# Altium PCB PROC099A_ASCII.PcbDoc (part 4 of 6)
Units mil, origin at the board's own origin, x right, y up, seen from the top; angles counter-clockwise.
Board outline 3180 x 2565 mil, 6 copper layers (TOP, L2, L3, L4, L5, BOTTOM), stack 55.54 mil thick; 362 components, 264 nets, 1248 pads, 1144 vias.
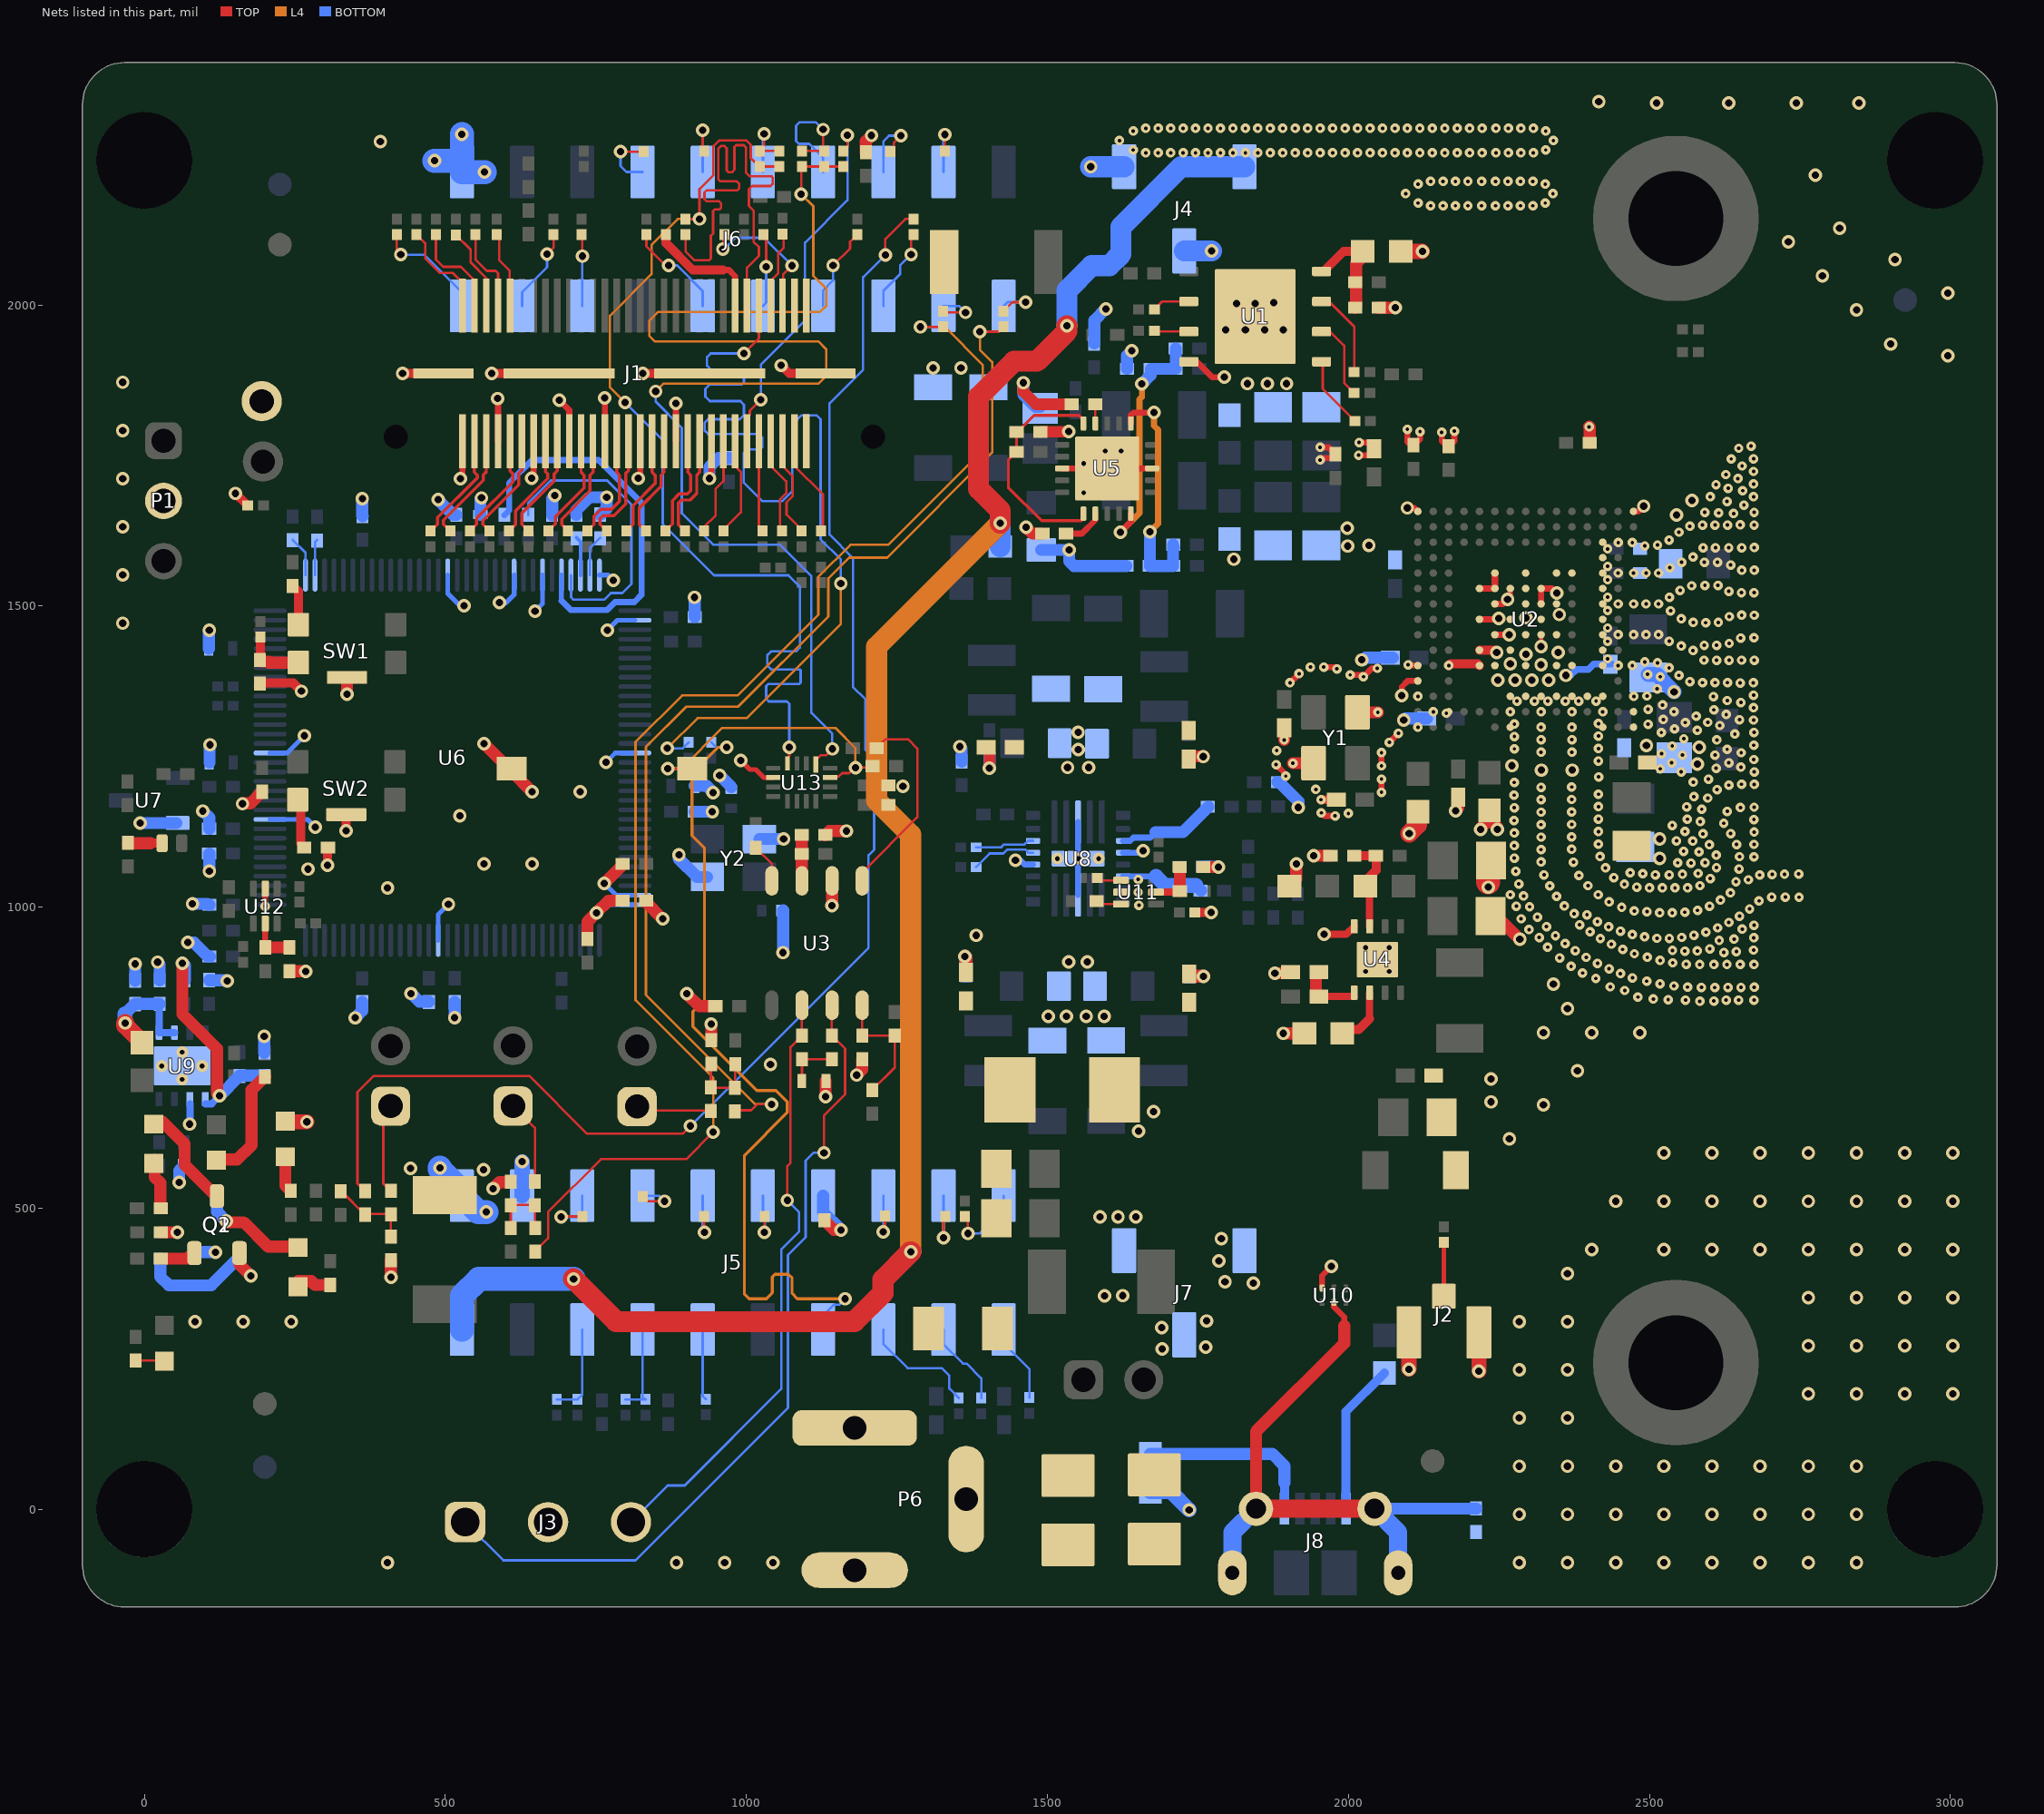
[diagram p8: the nets of this part, all layers, seen from the top]

## Via types
v1: diameter 22.4, hole 12.2, TOP to BOTTOM, tented both sides, 621 vias
v2: diameter 15.74, hole 5.9, TOP to L2, tented top, 508 vias
v3: diameter 19.68, hole 7.87, TOP to BOTTOM, tented top, 7 vias
v4: diameter 19.68, hole 7.87, TOP to BOTTOM, 4 vias
v5: diameter 19.68, hole 7.87, TOP to BOTTOM, tented both sides, 3 vias
v6: diameter 19.68, hole 7.87, TOP to BOTTOM, tented bottom, 1 vias

## Nets (pads, with @x,y where several pads share a name; then routed paths per layer and width w, separated by ;. In a path a pad name is that pad's centre, name@x,y a point inside that pad or via, vN(x,y) a via of type N, cw(c..) or ccw(c..) an arc to the next point about the centre after c; other vN are vias at no path point) (continued)
GND: C1.1 C2.1 C3.2 C4.2 C5.2 C6.2 C7.2 C8.2 C9.2 C10.2 C11.1 C12.2 C13.2 C14.2 C15.1 C16.1 C17.2 C19.2 C20.1 C21.2 C22.2 C23.2 C24.1 C25.2 C26.2 C27.2 C29.1 C30.1 C31.1 C32.1 C33.1 C34.1 C35.1 C36.1 C37.1 C38.1 C39.2 C40.1 C41.2 C42.1 C43.1 C44.1 C45.2 C47.2 C48.2 C49.1 C50.2 C51.2 C52.2 C53.2 C54.1 C55.1 C56.2 C57.2 C58.2 C59.1 C60.1 C61.2 C62.2 C63.2 C64.1 C65.2 C66.1 C67.1 C68.1 C69.1 C70.2 C71.1 C72.1 C73.1 C74.1 C75.1 C76.1 C77.1 C79.1 C80.1 C81.1 C82.1 C83.2 C84.1 C85.2 C86.2 C87.2 C88.2 C89.2 C90.1 C91.1 D3.2 DS2.2 J1.18 J1.24 J1.30 J1.36 J1.42 J1.48 J1.54 J1.60 J1.MP1 J1.MP2 J1.MP3 J1.MP4 J2.2 J2.3 J3.2 J4.1 J4.2 J5.4 J6.2 J7.1 J7.2 P1.2 P6.2 P6.3 Q1.2 Q2.2 R13.1 R47.2 R73.1 R79.1 R81.1 R83.1 R86.2 R88.1 R96.1 R110.1 R114.1 R119.1 R121.1 R123.2 R126.2 R132.1 R138.1 R139.1 R153.1 R157.1 R158.1 R174.1 R175.1 R181.2 R194.1 R195.2 R196.1 S1.1 SW1.5 SW2.5 TP1.1 U1.4 U1.9 U2.A1 U2.A3 U2.A5 U2.A7 U2.A9 U2.A15 U2.B1 U2.B3 U2.B5 U2.B7 U2.B9 U2.B13 U2.B14 U2.C1 U2.C3 U2.C4 U2.C5 U2.C6 U2.C7 U2.C8 U2.C9 U2.C15 U2.D15 U2.E1 U2.E2 U2.E3 U2.E5 U2.E6 U2.E8 U2.E10 U2.E11 U2.E13 U2.E15 U2.F3 U2.F9 U2.F11 U2.G1 U2.G2 U2.G3 U2.G6 U2.G7 U2.G8 U2.G10 U2.H3 U2.H7 U2.H9 U2.H11 U2.J1 U2.J2 U2.J3 U2.J6 U2.J7 U2.J8 U2.J10 U2.K3 U2.K7 U2.K8 U2.K9 U2.K10 U2.K11 U2.L1 U2.L2 U2.L3 U2.L5 U2.L6 U2.L8 U2.L10 U2.M3 U2.N1 U2.N2 U2.N3 U2.R1 U2.R15 U3.2 U4.4 U4.9 U5.3 U5.13 U5.21@1599.35,1728.32 U6.10 U6.17 U6.48 U6.55 U6.58 U6.64 U6.66 U6.80 U6.114 U7.2 U8.4 U8.11 U8.17 U8.24 U8.27 U9.6 U9.9@62.83,736.32 U10.3 U11.2 U12.2 U13.6 Y1.2 Y1.4 Y2.2 Y2.4 | length 6887.4
  TOP w7: U2.J7@2318.89,1503.49 U2.J7@2320.14,1503.49 U2.J7@2320.61,1503.49 ; U2.G7@2320.14,1452.31 U2.G7@2320.14,1452.31 v1@2320.14,1432.71
  TOP w7.8: v1(990.51,1243.73) 1005.75,1228.49 1015.79,1228.49 1029.2,1215.08 U13.6@1044.61,1215.08
  TOP w9: v1(2264.45,1510.8) 2268.96,1515.31 U2.K9@2268.96,1529.08
  TOP w9.45: U5.3@1524.55,1728.32 U5.13@1674.15,1728.32
  TOP w10: v2(200.81,1001.56) U12.2@200.82,1030.67 ; v1(524.98,1711.53) 528.62,1715.17 J1.60@528.62,1773.27 ; v1(587,1844.5) 587.67,1844.5 J1.54@587.67,1773.27 ; v1(643.53,1711.97) 646.73,1715.17 J1.48@646.73,1773.27 ; v1(689.11,1841.85) 705.78,1825.18 J1.42@705.78,1773.46 J1.42@705.78,1773.27 ; J1.36@764.84,1773.27 v1(764.84,1845.5) ; v1(820.61,1711.89) 823.89,1715.17 J1.30@823.89,1773.27 ; J1.24@882.95,1773.46 v1(882.95,1836.43) ; v1(938.67,1711.84) 942,1715.17 J1.18@942,1773.27 ; U1.4@1734.99,1905.68 1748.12,1905.68 1773.8,1880 v1(1794,1880) ; v2(1880,1236.5) 1896,1220.5 v2(1896,1217.5) ; v2(1903,1372.5) v2(1918,1387.5) ; v2(1953,1742.5) 1956,1745.5 1971.95,1745.5 C7.2@1978.55,1752.1 1967.15,1763.5 v2(1953,1763.5) ; v2(1955,1156.5) 1960,1151.5 v2(1978,1151.5) ; U10.3@1956.31,367.31 1956.31,387.81 v1(1972,403.5) ; v2(1959,1398.5) 1978,1398.5 v2(1981,1395.5) ; v2(2003,1385.5) 2022,1385.5 v2(2025,1382.5) 2039,1396.5 v2(2048,1396.5) ; v2(2017,1750.5) 2035.8,1750.5 C6.2@2042.4,1757.1 ; v2(2018,1771.5) 2031.04,1771.5 2042.55,1759.99 C6.2@2042.55,1757.1 ; v2(2055,1190.5) v2(2055,1212.5) ; v2(2055,1234.5) v2(2055,1256.5) ; v2(2068,1273.5) v2(2083,1288.5) ; v1(2088.81,1351.12) 2088.81,1366.05 2098.3,1375.54 U2.D15@2115.42,1375.54 ; v1(2098,1662.8) 2109.65,1662.8 U2.R15@2115.42,1657.03 ; v2(2098,1793.5) 2098,1772.68 2105.35,1765.33 2107.83,1765.33 2119,1776.5 v2(2119,1789.5) ; v2(2099.17,1402.27) 2100.32,1401.13 U2.E15@2115.42,1401.13 ; v2(2155,1788.5) 2155,1774.5 2164.8,1764.7 2166.55,1764.7 2176,1774.15 v2(2176,1790.5) ; U2.H11@2217.78,1477.9 2248.55,1477.9 v1(2250.05,1479.4) ; U2.G10@2243.37,1452.31 v1@2266.94,1452.31 ; U2.J10@2243.37,1503.49 2257.14,1503.49 v1(2264.45,1510.8) ; U2.J7@2320.14,1503.49 U2.K7@2320.14,1529.08 2338.42,1529.08 v1(2346,1521.5) ; U2.R1@2473.68,1657.03 2481.68,1657.03 v1(2490.55,1665.9)
  TOP w11: U2.K11@2217.78,1529.08 U2.K10@2243.37,1529.08 U2.L10@2243.37,1554.67
  TOP w12: v1(1959.84,954.74) 1996.49,954.74 U4.4@2009.79,968.04
  TOP w15: v1(151.5,1687) C8.2@171.7,1666.75 C8.2@171.7,1666.75 ; R73.1@192.05,1372.02 247.48,1372.02 v1(261,1358.5) ; v1(304.25,1069.5) R79.1@304.25,1098.84 ; v1(335.35,1126.5) SW2.5@335.35,1153.66 ; v1(429,1886.26) J1.MP4@496.53,1886.26 J1.MP4@496.73,1886.26 ; v1(576.76,1886.26) J1.MP3@689.05,1886.26 J1.MP3@689.25,1886.26 ; v1(828,1886.26) J1.MP2@939.05,1886.26 J1.MP2@939.25,1886.26 ; v1(1058,1899.5) 1071.24,1886.26 J1.MP1@1131.57,1886.26 J1.MP1@1131.77,1886.26 ; R181.2@1745.21,991.17 1771.83,991.17 v1(1772,991) ; v2(1954.5,1178.34) C15.1@1979.85,1178.34 ; v2(2166.6,1401.13) 2169.17,1403.7 2215.21,1403.7 U2.E11@2217.78,1401.13 ; U2.F11@2217.78,1426.72 2242.33,1426.72 v1(2246.35,1422.7)
  TOP w19: v1(1460,1870.8) 1460,1855.92 1481,1834.93 C44.1@1540.29,1834.93 ; R47.2@1488.22,1788.74 1489.05,1789.57 v1(1535.6,1789.57)
  TOP w19.6: R88.1@941.42,778.84 v1(941.42,805.97)
  TOP w19.68: v1(1464.51,1630.67) 1474.92,1620.25 C29.1@1491.66,1620.25
  TOP w20: R110.1@26.62,459.77 R110.1@27.4,459.77 v1(55,459.77) ; Q1.2@157.98,427.47 157.98,406.52 v1(177,387.5) ; v1(163,1171.5) 163,1172.5 176.25,1172.5 C11.1@195.7,1191.95 ; C85.2@242.2,893.35 v1(268.05,893.35) ; v1(336.65,1353.5) SW1.5@336.65,1381.42 ; v1(409.52,385.5) R114.1@409.52,413.47 R114.1@409.52,414.25 ; v1(564,1271.5) 605.5,1230 S1.1@610,1230 610,1225.5 v1(644,1191.5) ; v1(579.2,532.5) 589.85,543.15 R96.1@608.78,543.15 ; C71.1@833.3,1010.5 833.3,1008.2 v1(861,980.5) ; v1(901,856) 921.55,835.45 C20.1@948.59,835.45 ; C16.1@1131.38,1119.67 1137.98,1126.27 v1(1166.49,1126.27) ; v1@1131.74,684.9 C24.1@1131.74,711.14 ; v1(1142.37,1002.36) U3.2@1142.37,1043.6 ; v1(1183.27,720.91) 1192.37,730.01 R86.2@1192.37,747.12 ; R13.1@1198.4,2252.95 R13.1@1198.4,2253.73 1198.4,2271.9 v1(1208,2281.5) ; C84.1@1758.65,1066.5 C84.1@1759.03,1066.5 v1(1784,1066.5) ; v1(1877.95,890.07) 1901.78,890.07 R83.1@1903.73,892.02 R83.1@1908.45,892.02 ; v1(1892,790.27) C22.2@1926.97,790.27 ; v2(1893.4,1277.69) C9.2@1893.4,1297.59 ; C91.1@1902.01,1034.87 1913.5,1046.36 v1(1913.5,1071.72) ; v2(1908,1238.82) Y1.4@1942.3,1238.82 ; v1@1942.56,1085.17 R81.1@1970.2,1085.17 ; Y1.2@2015.14,1323.46 v2(2049,1323.46) ; C2.1@2050.08,1995.26 C2.1@2050.47,1995.26 v1(2078,1995.26) ; v1(2178.28,1160.07) 2182.55,1164.34 C12.2@2182.55,1182.18 ; v1(2219.55,1128.8) 2219.55,1131.18 2234.45,1146.08 C13.2@2234.45,1160.4 ; C13.2@2234.45,1143.7 2236.42,1143.7 2247.55,1132.57 v1(2247.55,1128.8) ; C19.2@2236.23,984.99 2246.34,984.99 v1(2284.77,946.56) ; v2(2400,1797.5) 2400.85,1796.65 C3.2@2400.85,1770.8
  TOP w25: DS2.2@234.35,643.37 v1(270,643.37) ; C1.1@2086.97,2088.99 v1(2123,2088.99) ; v1(2100.64,232.5) J2.2@2100.64,293.72 ; v1(2216.78,229.5) J2.3@2216.78,293.72
  TOP w30: v1(2101,1122.3) 2115.45,1136.75 C14.2@2115.45,1158.3
  TOP w40: v1@2232.21,1041.59 2232.21,1072.78 C17.2@2236.81,1077.38
  BOTTOM w8: U6.10@208.64,1145.68 270.82,1145.68 v1(284,1132.5) ; U6.17@208.64,1255.91 237.41,1255.91 v1(266,1284.5) ; U6.114@488.17,944.89 488.17,987.67 v1(505,1004.5) ; U6.48@503.92,1551.19 503.92,1520.59 524.01,1500.5 v1(531,1500.5) ; v1(590,1505.5) 601,1505.5 614.15,1518.65 U6.55@614.15,1551.19 ; v1(649,1491.5) 661.4,1503.9 U6.58@661.4,1551.19 ; U6.64@755.88,1551.19 770.31,1551.19 v1(779,1542.5) ; v1(766.88,1240.5) 782.29,1255.91 U6.80@814.94,1255.91 ; v1(769,1459.5) 785.89,1476.39 U6.66@814.94,1476.39
  BOTTOM w9.84: U8.24@1551,1019.87 v3(1551,1080.5) U8.11@1551,1141.13
  BOTTOM w10: v1(1447,1077.79) 1455.09,1077.79 1462.22,1070.66 U8.4@1476.2,1070.65 ; U8.17@1625.81,1090.34 1655.84,1090.34 v1(1659,1093.5)
  BOTTOM w11.4: v1@2368.75,1384.8 2378.65,1394.7 2379.58,1394.7 2379.88,1394.4 2397.62,1394.4 2397.92,1394.7 2398.77,1394.7 2407.67,1403.6 C51.2@2437.15,1403.6
  BOTTOM w12: v1(75,639.5) 75.63,639.5 U9.6@75.63,673.32 ; v1(2361.25,1384.8) v1@2368.75,1384.8
  BOTTOM w20: C80.1@-15.4,877.8 C80.1@-15.4,878.18 v1(-15.4,905.5) ; v1@-7,1139.69 U7.2@53.36,1139.69 ; v1(22,908.5) 25.62,904.88 C79.1@25.62,878.53 C79.1@25.62,878.15 ; v1(58,542.5) 58,562.49 R158.1@65.68,570.16 R158.1@65.68,570.95 ; v1(72.17,941.23) 82.27,941.23 105.76,917.74 R153.1@107.96,917.74 R153.1@108.75,917.74 ; v1(80,1005.5) 105,1005.5 106.94,1003.56 C69.1@107.96,1003.56 C69.1@108.35,1003.56 ; Q2.2@83.22,426.89 v1(118,426.89) ; v1(97,1159.5) 107.89,1148.61 C66.1@107.89,1130.1 ; C50.2@107.35,1429.4 107.35,1459.5 v1(108,1459.5) ; C77.1@107.82,878.45 134,878.45 134,877.5 v1(138,877.5) ; v1(107.95,1059.5) C67.1@107.95,1088.8 ; C61.2@108.35,1240.06 108.35,1269.5 v1(109,1269.5) ; R157.1@199.2,757.75 R157.1@199.2,758.53 v1(199.2,785.5) ; v1(350.22,815.97) 361.92,827.67 C76.1@361.92,842.16 ; v1(362,1678.5) 361.73,1678.23 361.73,1649.94 C43.1@362.52,1649.15 ; v1(443,856.5) 456.65,842.85 C75.1@472.68,842.85 ; v1(488,1676.5) 513.35,1651.15 C42.1@518.22,1651.15 ; v1(515.51,816.23) 515.51,842.38 C74.1@515.6,842.47 ; C41.2@558.3,1651.15 558.3,1651.53 558.3,1677.8 v1(560,1679.5) ; R194.1@677.52,1650.75 R194.1@677.52,1651.53 677.52,1679.02 v1(682,1683.5) ; R126.2@717.68,1651.05 R126.2@717.68,1651.84 717.68,1659.18 739,1680.5 v1(768,1680.5) 768,1661.77 R123.2@757.28,1651.05 ; v1(887.92,1086.69) 887.92,1080 917.92,1050 Y2.4@935,1050 ; C49.1@914.03,1481.9 v1(914.03,1514.4) ; C64.1@914.34,1158.3 v1(943.5,1158.3) ; C62.2@914.34,1201.5 933.5,1201.5 v1(945,1190) ; v1(938.67,1711.84) 938.67,1730.6 953.66,1745.6 R196.1@971,1745.6 ; v1(955.62,1218.91) C70.2@975,1199.53 ; Y2.2@1021.61,1112.99 v1(1061.88,1112.99) ; v1(1060.98,924.46) C63.2@1060.98,994.36 ; v1(1354.39,1266.55) 1357.78,1263.16 R138.1@1357.78,1241.65 ; v1(1460,1870.8) 1460,1851 1480.6,1830.4 C32.1@1487.95,1830.4 ; C40.1@1489.95,1593.05 v1(1536.06,1593.05) 1536.06,1574.71 1544.25,1566.52 R132.1@1631.1,1566.52 ; R119.1@1577.96,1935.82 1577.96,1974.36 v1(1597.04,1993.44) ; R121.1@1632.33,1893.62 1632.33,1916.07 v1(1640.06,1923.79) ; C68.1@1759.14,1067 1783.5,1067 v1(1784,1066.5) ; R139.1@1882.25,1207.54 R139.1@1883.03,1207.54 1884.96,1207.54 1917,1175.5 v1(1917,1165.5) ; v1(2022,1410.5) 2025,1410.5 2028.5,1414 C53.2@2069.73,1414 C53.2@2074.05,1414 ; v1(2092,1310.72) 2094.57,1313.3 C56.2@2130.21,1313.3
  BOTTOM w25: J5.4@627.5,520.72 v1(627.5,577.18) ; R175.1@1671,29 1705.5,29 v1(1735.5,-1) ; C52.2@2498.15,1386 2512.5,1386 v1(2541,1357.5)
  BOTTOM w35: v1(1572.02,2229.48) J4.1@1627.5,2229.48 ; J4.2@1727.5,2089.52 v1(1773,2089.52)
  BOTTOM w40: v1(482,2239.5) J6.2@527.5,2239.5 ; v1(527.5,2283.5) J6.2@527.5,2239.5 ; v1(565,2220.72) J6.2@527.5,2220.72 J6.2@527.5,2239.5
  other v1: 404,-88.5 884,-88.5 964,-88.5 1044,-88.5 2284,-88.5 2364,-88.5 2444,-88.5 2524,-88.5 2604,-88.5 2684,-88.5 2764,-88.5 2844,-88.5 2284,-8.5 2364,-8.5 2444,-8.5 2524,-8.5 2604,-8.5 2684,-8.5 2764,-8.5 2844,-8.5 2284,71.5 2364,71.5 2444,71.5 2524,71.5 2604,71.5 2684,71.5 2764,71.5 2844,71.5 2284,151.5 2364,151.5 2764,191.5 2844,191.5 2924,191.5 3004,191.5 2284,231.5 2364,231.5 1690.45,265.99 1762.97,269.04 2764,271.5 2844,271.5 2924,271.5 3004,271.5 1689.78,301.36 84,311.5 164,311.5 244,311.5 2284,311.5 2364,311.5 1764.66,312.64 2764,351.5 2844,351.5 2924,351.5 3004,351.5 1595.23,354.53 1625.27,354.72 2364,391.5 2404,431.5 2524,431.5 2604,431.5 2684,431.5 2764,431.5 2844,431.5 2924,431.5 3004,431.5 1587.28,485.48 1617.32,485.48 1647.14,485.48 2444,511.5 2524,511.5 2604,511.5 2684,511.5 2764,511.5 2844,511.5 2924,511.5 3004,511.5 2524,591.5 2604,591.5 2684,591.5 2764,591.5 2844,591.5 2924,591.5 3004,591.5 2267.43,614.93 1651.58,628.04 1676.13,660.27 2324,671.5 2237,676.5 1131.59,684.9 2237,714.5 2380.57,728.07 1040,738.5 2324,791.5 2404,791.5 2484,791.5 1501.55,818.8 1531.55,818.8 1564.55,818.8 1594.55,818.8 2364,831.5 2340.65,871.84 1535.55,908.8 1566.55,908.8 1382,953 404,1031.5 2232.49,1033 272,1063 564,1071.5 644,1071.5 2517,1081 1942.36,1085.17 2517,1113 -7,1139.5 524,1151.5 724,1191.5 1260.01,1200.67 2320.4,1227.39 2372.1,1227.4 1533.55,1231.8 1568.55,1231.8 2271.6,1234.9 2580,1237.5 1551.24,1261.57 2583,1265.5 2495,1268.5 1551.02,1290.27 2248.35,1377 2276.75,1377 2304.75,1377 2332.75,1376.8 2320.15,1402.7 2268.95,1404.2 2295.05,1419.7 2348.75,1422.9 2320.15,1432.7 2266.95,1452.3 -36,1471.5 2295.05,1480.4 2350.45,1485.8 -36,1551.5 1810.01,1577.67 1999,1599.5 2034,1600.5 1998,1629.5 -36,1631.5 2545,1651.2 2571,1675.5 -36,1711.5 -36,1791.5 1832.44,1869.27 1865.44,1869.27 1897.44,1869.27 -36,1871.5 1356.45,1895.35 1310.2,1895.5 2996,1915.5 2900.57,1934.93 1796,1958.5 1829,1958.5 1861,1958.5 1892,1958.5 2844,1991.5 1814,2002.5 1845.2,2002.55 1876,2003.5 2996,2019.5 2787.43,2048.07 2908,2075.5 2730.86,2104.64 2816,2127.5 2776,2215.5 392,2271.5 2512,2335.5 2632,2335.5 2744,2335.5 2848,2335.5 2416,2337.5
  other v2: 2583.7,843.5 2607,843.9 2560,845.4 2531.2,846.2 2627.6,845.6 2648.2,845.6 2673.8,845.6 2506.5,847.4 2481,850.5 2459,861.5 2608.6,866.4 2630.6,866.5 2563.5,867.1 2586.4,866.6 2652.2,866.6 2674.1,866.9 2435,867.5 2540.7,869 2517.6,872.5 2495.5,876.9 2411,881.5 2472,882.5 2389,890.5 2452,889.5 2433,897.5 2370,901.5 2673.9,904.5 2561.2,905.1 2583.6,904.7 2607.1,904.7 2628.8,904.7 2650.8,904.8 2414,906.5 2538.7,907.4 2517.9,911.5 2351,915.5 2395,916.5 2496.6,916.7 2475.1,922.5 2623.8,924.7 2644.4,926.2 2559,926.8 2579.6,927.3 2377,927.5 2538.4,928 2673,928.5 2455.7,929.7 2600.4,930.7 2331,933.5 2436.9,938.3 2360,939.5 2616,944.5 2640.7,946.8 2418.6,947.8 2512.5,948.1 2533.1,947.9 2673.5,949.1 2317,949.5 2492,950.5 2553.7,949.6 2344,952.5 2574,953.3 2471.7,954.3 2594,958.3 2401.3,959.1 2451.8,959.9 2300,962.5 2654.2,963.3 2613.3,965.5 2432.4,967.1 2329,967.5 2384.1,970.5 2673.8,969.7 2631.9,974.5 2413.7,975.8 2287,980.5 2314,983.5 2649.7,984.9 2396.4,987.1 2375.1,989.1 2517,990.5 2538,990.5 2496,992.5 2559,991.5 2475,993.5 2580,994.5 2666.5,996.9 2301,1000.5 2454,999.5 2279,1001.5 2358.8,1001.8 2600,1001.5 1652,1003 2433,1008.5 2682.2,1010.3 2618,1011.5 2703.3,1016.4 2725.8,1016.4 2748.6,1016.3 2291,1018.5 2345.8,1017.8 2269,1020.5 2415,1020.5 2634.7,1023.7 1650.75,1024.75 2500,1032 2521.5,1032 2542.5,1032 2563.5,1032 2479,1033 2334.5,1035.1 2398,1035.5 2584,1035.5 2283,1038.5 2458.5,1038 2643.9,1042.2 2664.3,1045.3 1651,1046 2601,1047.5 2441,1049 2383,1052.5 2683.3,1053.3 2325,1053.5 2510,1053.5 2533,1053.5 2555,1054.5 2703.9,1054.2 2724.5,1054.5 2748.1,1055 2489,1055.5 2580.9,1055.9 2468,1057 2278,1059.5 2649,1063.2 2427,1065 2611.5,1065.5 2569.1,1072.9 2374,1074.5 2547,1073.6 2592.5,1073.7 2320.1,1074.8 2275.6,1081.3 2673.9,1083.4 2418,1084 2649.8,1083.8 2611.1,1086.1 2582.4,1091.7 2556.9,1092.6 2320.1,1095.5 2370.9,1095.9 2275.7,1102.1 2415.5,1104.5 2599.5,1103.5 2644.9,1103.9 2673.8,1104.1 2545,1110 2572.1,1109.6 2320.1,1116.2 2370.9,1116.6 2589,1121.5 2634.9,1121.9 2275.6,1123.1 2415.5,1125.35 2674,1124.7 2559.1,1125.6 2538,1135.5 2320.1,1136.9 2370.9,1137.3 2623.5,1139.1 2584.5,1142 2275.3,1143.7 2673.6,1145.3 2415.5,1146.05 2563,1145.9 2000,1155.5 2320.1,1157.6 2370.9,1158 2629.3,1158.9 2587,1162.5 2275.5,1165 2651.2,1165.2 2562,1166.5 2674,1165.9 2415.5,1166.75 2320.1,1178.3 2370.9,1178.7 2597,1181 2574,1183.5 2275.3,1185.9 2415.5,1187.4 2612.5,1195 1946,1195.5 2320.1,1199 2370.9,1199.4 2632,1202.5 2653,1204 2674.1,1203.8 2275.7,1207 2573,1207.5 2598,1212.5 2415.7,1216.1 2553,1224.5 2674.1,1224.4 2518,1229.5 2611,1230.5 2652.1,1232.3 2537,1239.5 2632,1239.5 2415.45,1242.6 2673.5,1245 2555,1252.5 2609,1252.5 2520,1254.5 2652.6,1256.3 2320.14,1257.37 2371.32,1257.37 1881,1260 2629.2,1261.9 2275.85,1262.7 2415.45,1263.3 2538,1267.5 2673.5,1268.7 2320.14,1278.07 2371.32,1278.07 2612,1277.5 2557.2,1279.4 2275.85,1283.35 2415.45,1283.95 2642,1287.5 2519.9,1289.8 2673.7,1290 2579.7,1293.6 2541.8,1295.9 2115.42,1298.77 2320.14,1298.77 2371.32,1298.77 2617,1301.5 2275.85,1304 2498,1303.5 2415.45,1304.6 2559.6,1306.4 2596.9,1306.8 2649.7,1311.1 2673,1310.6 2523,1311.5 2577.7,1317 2627.7,1319.9 2162.8,1321.9 2141.01,1324.36 2268.96,1324.36 2320.14,1324.36 2371.32,1324.36 2422.5,1324.36 2540.7,1324.5 2498,1328.5 2607,1327.5 2673.2,1331.2 2522,1335.5 2652.1,1339.8 2280.15,1341.9 2309.05,1341.9 2331.35,1341.9 2360.25,1341.9 2382.55,1341.9 2411.45,1341.9 2629.3,1343 2115.42,1349.95 2474.1,1349.95 2496,1350.5 2606.5,1349.6 2673,1351.8 2513,1362.5 2650.7,1372.28 2672.8,1372.48 2588.3,1372.68 2609,1372.68 2629.7,1372.68 2567.2,1374.48 2518,1382.5 2549,1384.8 2497,1386.5 2532.7,1397.48 1937,1398.5 2448.09,1401.13 2471.7,1401.13 2513.5,1405.68 2492.4,1407.28 2590.8,1410 2611.7,1409.9 2632.5,1409.9 2653.2,1410 2674.1,1409.9 2430.65,1412.3 2572.4,1426 2553,1433.5 2591.1,1434.8 2611.7,1434.8 2632.6,1437.9 2430.65,1441.3 2533,1441.5 2651.5,1446.9 2673.7,1447.3 2448.09,1452.31 2473.68,1452.31 2494.38,1452.31 2515.08,1452.31 2430.65,1463.5 2593.7,1472.2 2573,1472.7 2614.5,1472.8 2552.8,1478.9 2632.8,1482.4 2653.3,1484.7 2674.1,1484.6 2430.65,1492.5 2535.1,1492.1 2448.09,1503.49 2473.68,1503.49 2494.38,1503.49 2515.08,1503.49 2533.2,1514.4 2430.65,1514.7 2652.9,1522 2673.9,1522.2 2632.1,1524.3 2550.9,1526 2570.3,1533.6 2592.3,1534.3 2613.8,1534.1 2430.65,1543.7 2448.09,1554.67 2473.68,1554.67 2494.38,1554.67 2515.08,1554.67 2653.6,1559.4 2674.2,1559.4 2534,1563.5 2430.65,1565.9 2634.9,1568.2 2613.2,1572.5 2553.5,1572.6 2591.4,1572.6 2572.6,1581.5 2430.65,1594.9 2589.3,1596.8 2609.9,1596.8 2631.8,1596.7 2653.6,1596.8 2674.2,1597.1 2492.4,1599.7 2513.5,1601.3 2448.4,1605.4 2471.7,1605.4 2532.7,1609.5 2549,1622.5 2567.2,1632.5 2588.3,1634.3 2609,1634.3 2629.7,1634.3 2674,1634.5 2650.7,1634.7 2615,1654.5 2640,1653.5 2592,1655.5 2674,1655.5 2657,1667.5 2629,1673.5 2601.2,1681.5 2673,1681.5 2655,1691.5 2631,1695.5 2610.7,1701.5 2673,1702.5 2647,1711.5 2627,1718.2 2673,1723.5 2654,1732.5 2635.9,1744.2 2673,1744.5 2648.4,1761.9 2669,1765.5 2136.47,2164.6 2157.17,2164.6 2177.87,2164.6 2198.57,2164.6 2221.43,2164.6 2244.3,2164.6 2265,2164.6 2285.7,2164.6 2306.4,2164.6 2115.77,2169.2 2327,2169.2 2095.07,2184.9 2339.8,2184.9 2115.77,2200.6 2327,2200.6 2136.47,2205.2 2157.17,2205.2 2177.87,2205.2 2198.57,2205.2 2221.43,2205.2 2244.3,2205.2 2265,2205.2 2285.7,2205.2 2306.4,2205.2 1663.3,2252.7 1684,2252.7 1704.7,2252.7 1725.4,2252.7 1746.1,2252.7 1766.8,2252.7 1787.5,2252.7 1808.2,2252.7 1828.9,2252.7 1849.6,2252.7 1870.3,2252.7 1891,2252.7 1911.7,2252.7 1932.4,2252.7 1953.1,2252.7 1973.8,2252.7 1994.5,2252.7 2015.2,2252.7 2035.9,2252.7 2056.6,2252.7 2077.3,2252.7 2098,2252.7 2118.7,2252.7 2139.4,2252.7 2160.1,2252.7 2180.8,2252.7 2201.5,2252.7 2222.2,2252.7 2245.1,2252.7 2265.8,2252.7 2286.5,2252.7 2307.2,2252.7 1642.7,2257.3 2327.8,2257.3 1619.7,2273 2340.6,2273 1642.7,2288.7 2327.8,2288.7 1663.3,2293.3 1684,2293.3 1704.7,2293.3 1725.4,2293.3 1746.1,2293.3 1766.8,2293.3 1787.5,2293.3 1808.2,2293.3 1828.9,2293.3 1849.6,2293.3 1870.3,2293.3 1891,2293.3 1911.7,2293.3 1932.4,2293.3 1953.1,2293.3 1973.8,2293.3 1994.5,2293.3 2015.2,2293.3 2035.9,2293.3 2056.6,2293.3 2077.3,2293.3 2098,2293.3 2118.7,2293.3 2139.4,2293.3 2160.1,2293.3 2180.8,2293.3 2201.5,2293.3 2222.2,2293.3 2245.1,2293.3 2265.8,2293.3 2286.5,2293.3 2307.2,2293.3
  other v3: 62.83,713.68 29,736 96,736 62.83,758.96 1516.75,1080.5 1585.26,1080.5
  other v4: 2028.49,893.24 2067.86,893.24 2028.49,932.61 2067.86,932.61
  other v5: 1560.41,1688.18 1560.41,1736.5 1622.39,1757.57
  other v6: 1596.03,1757.57